# KiCad board nvme Carrier for LattePanda Mu.kicad_pcb
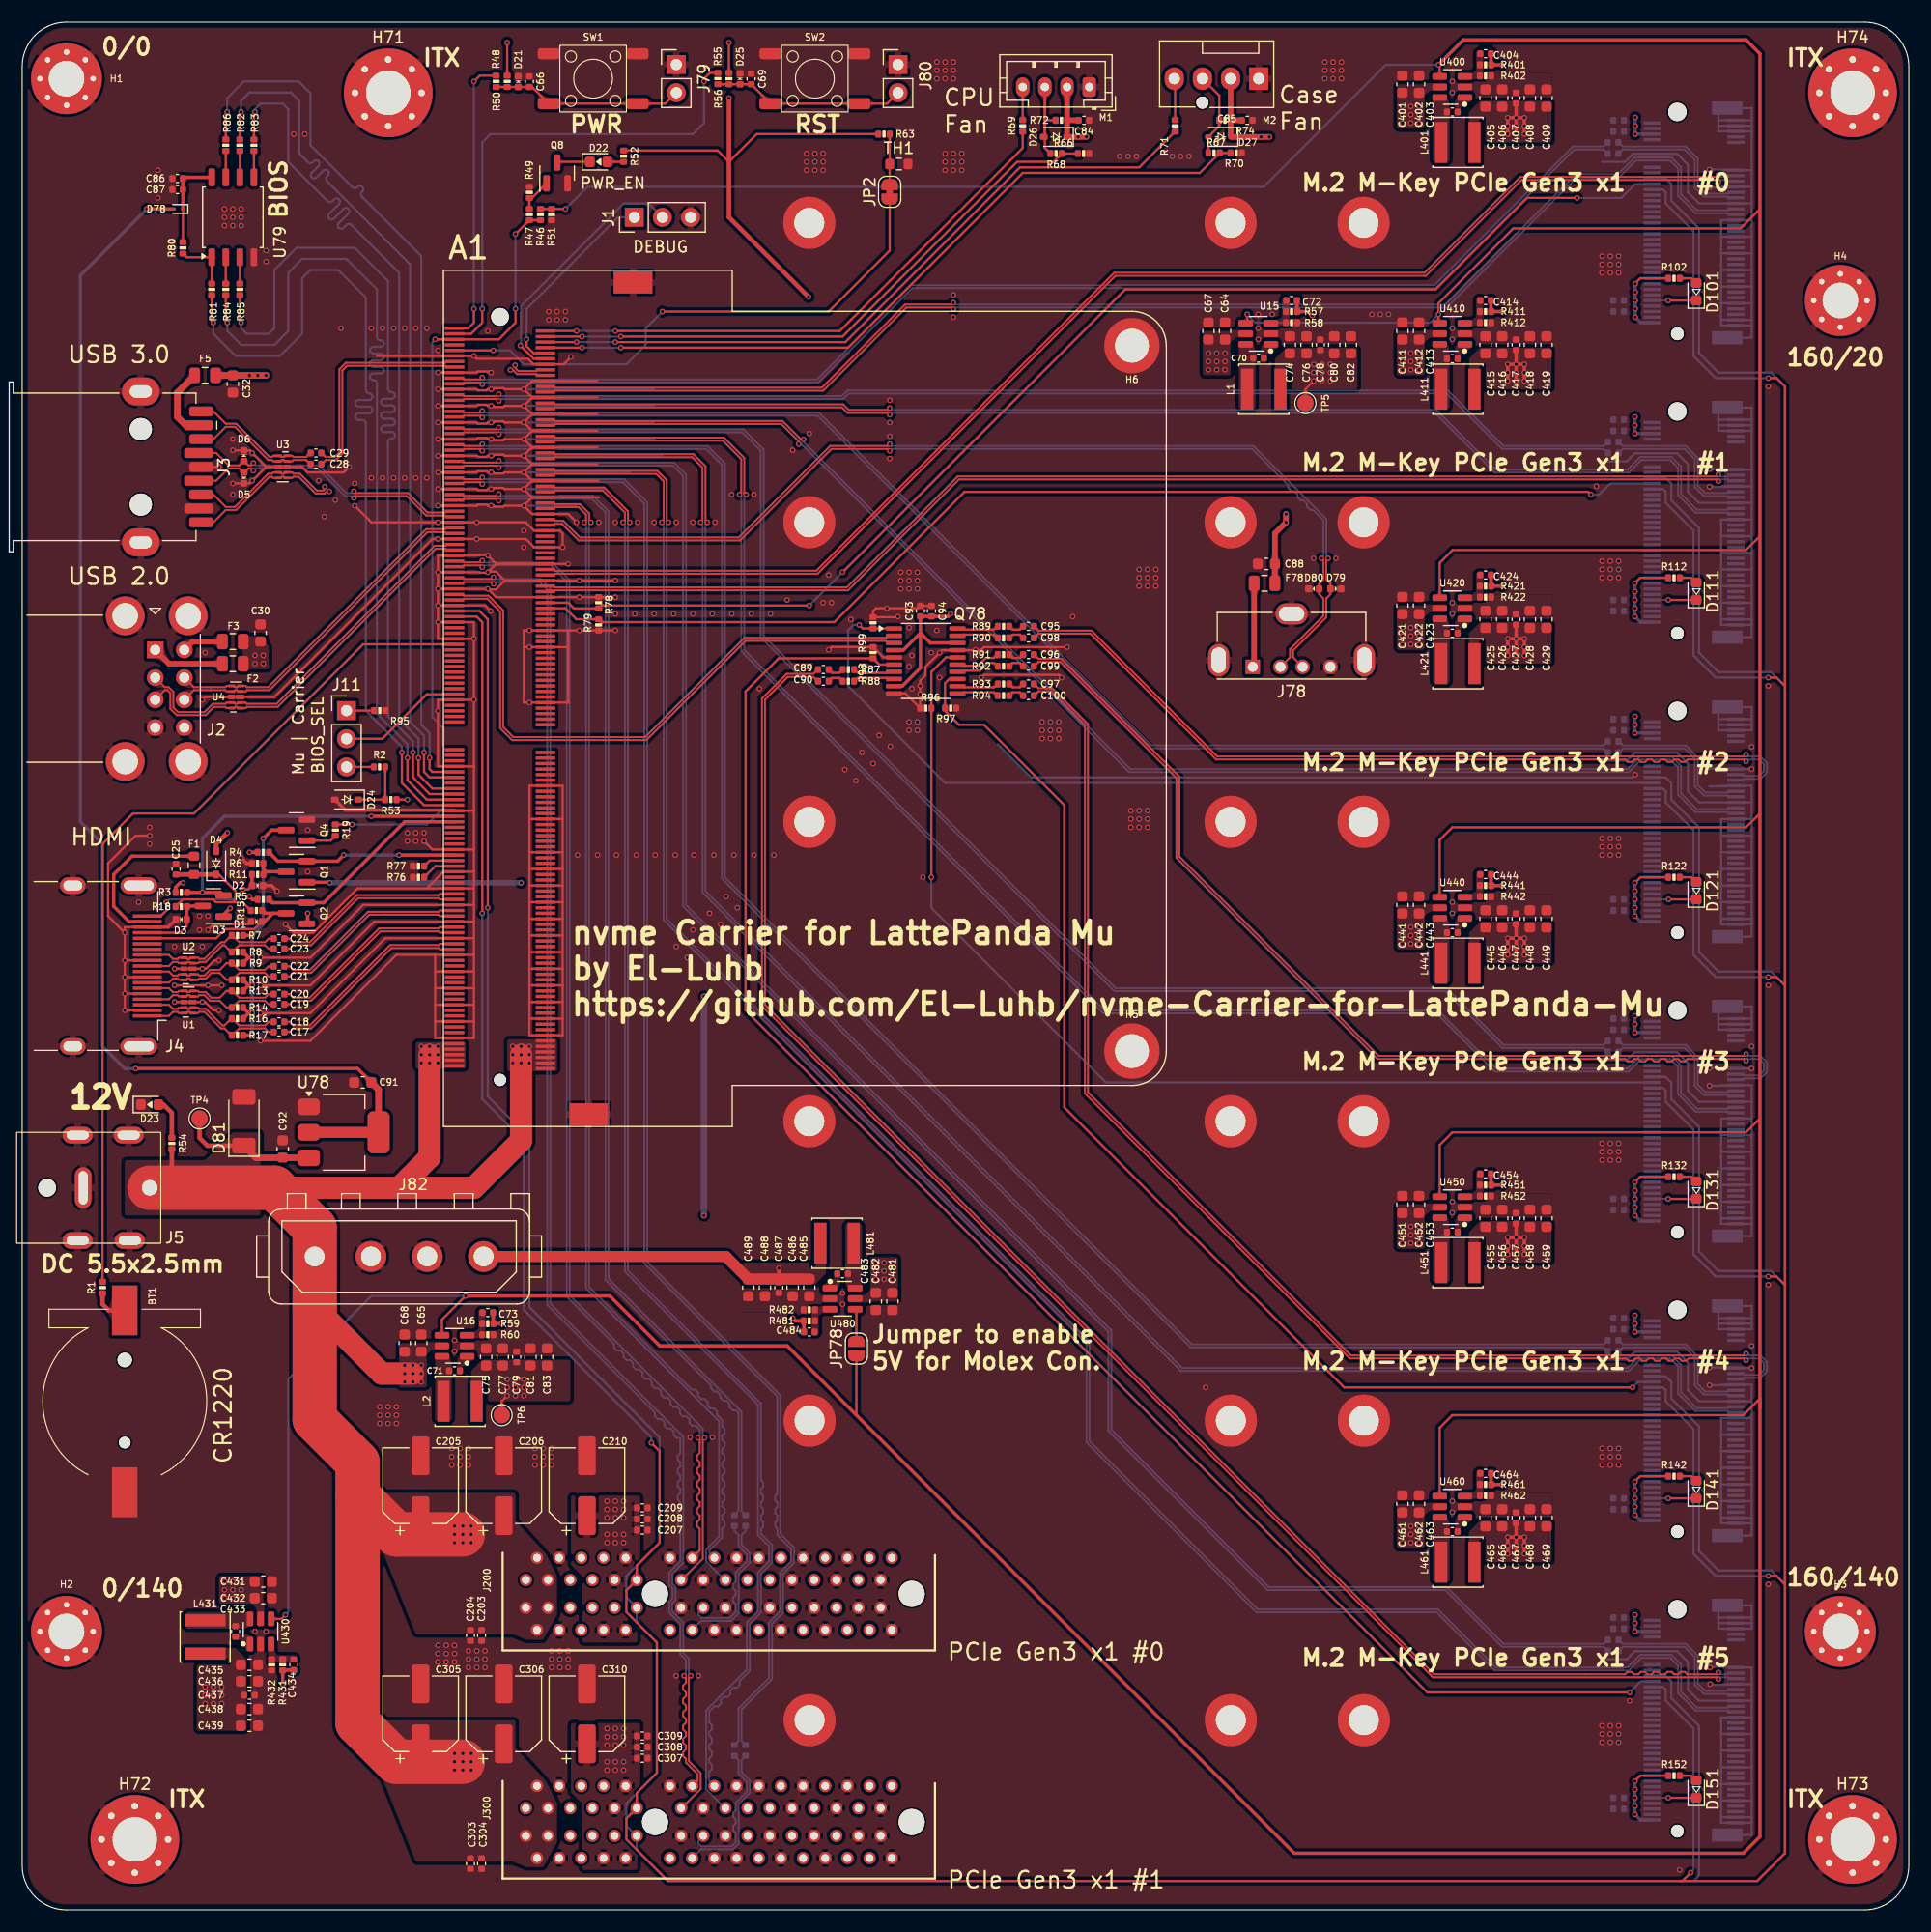
[diagram p0: board, top side]
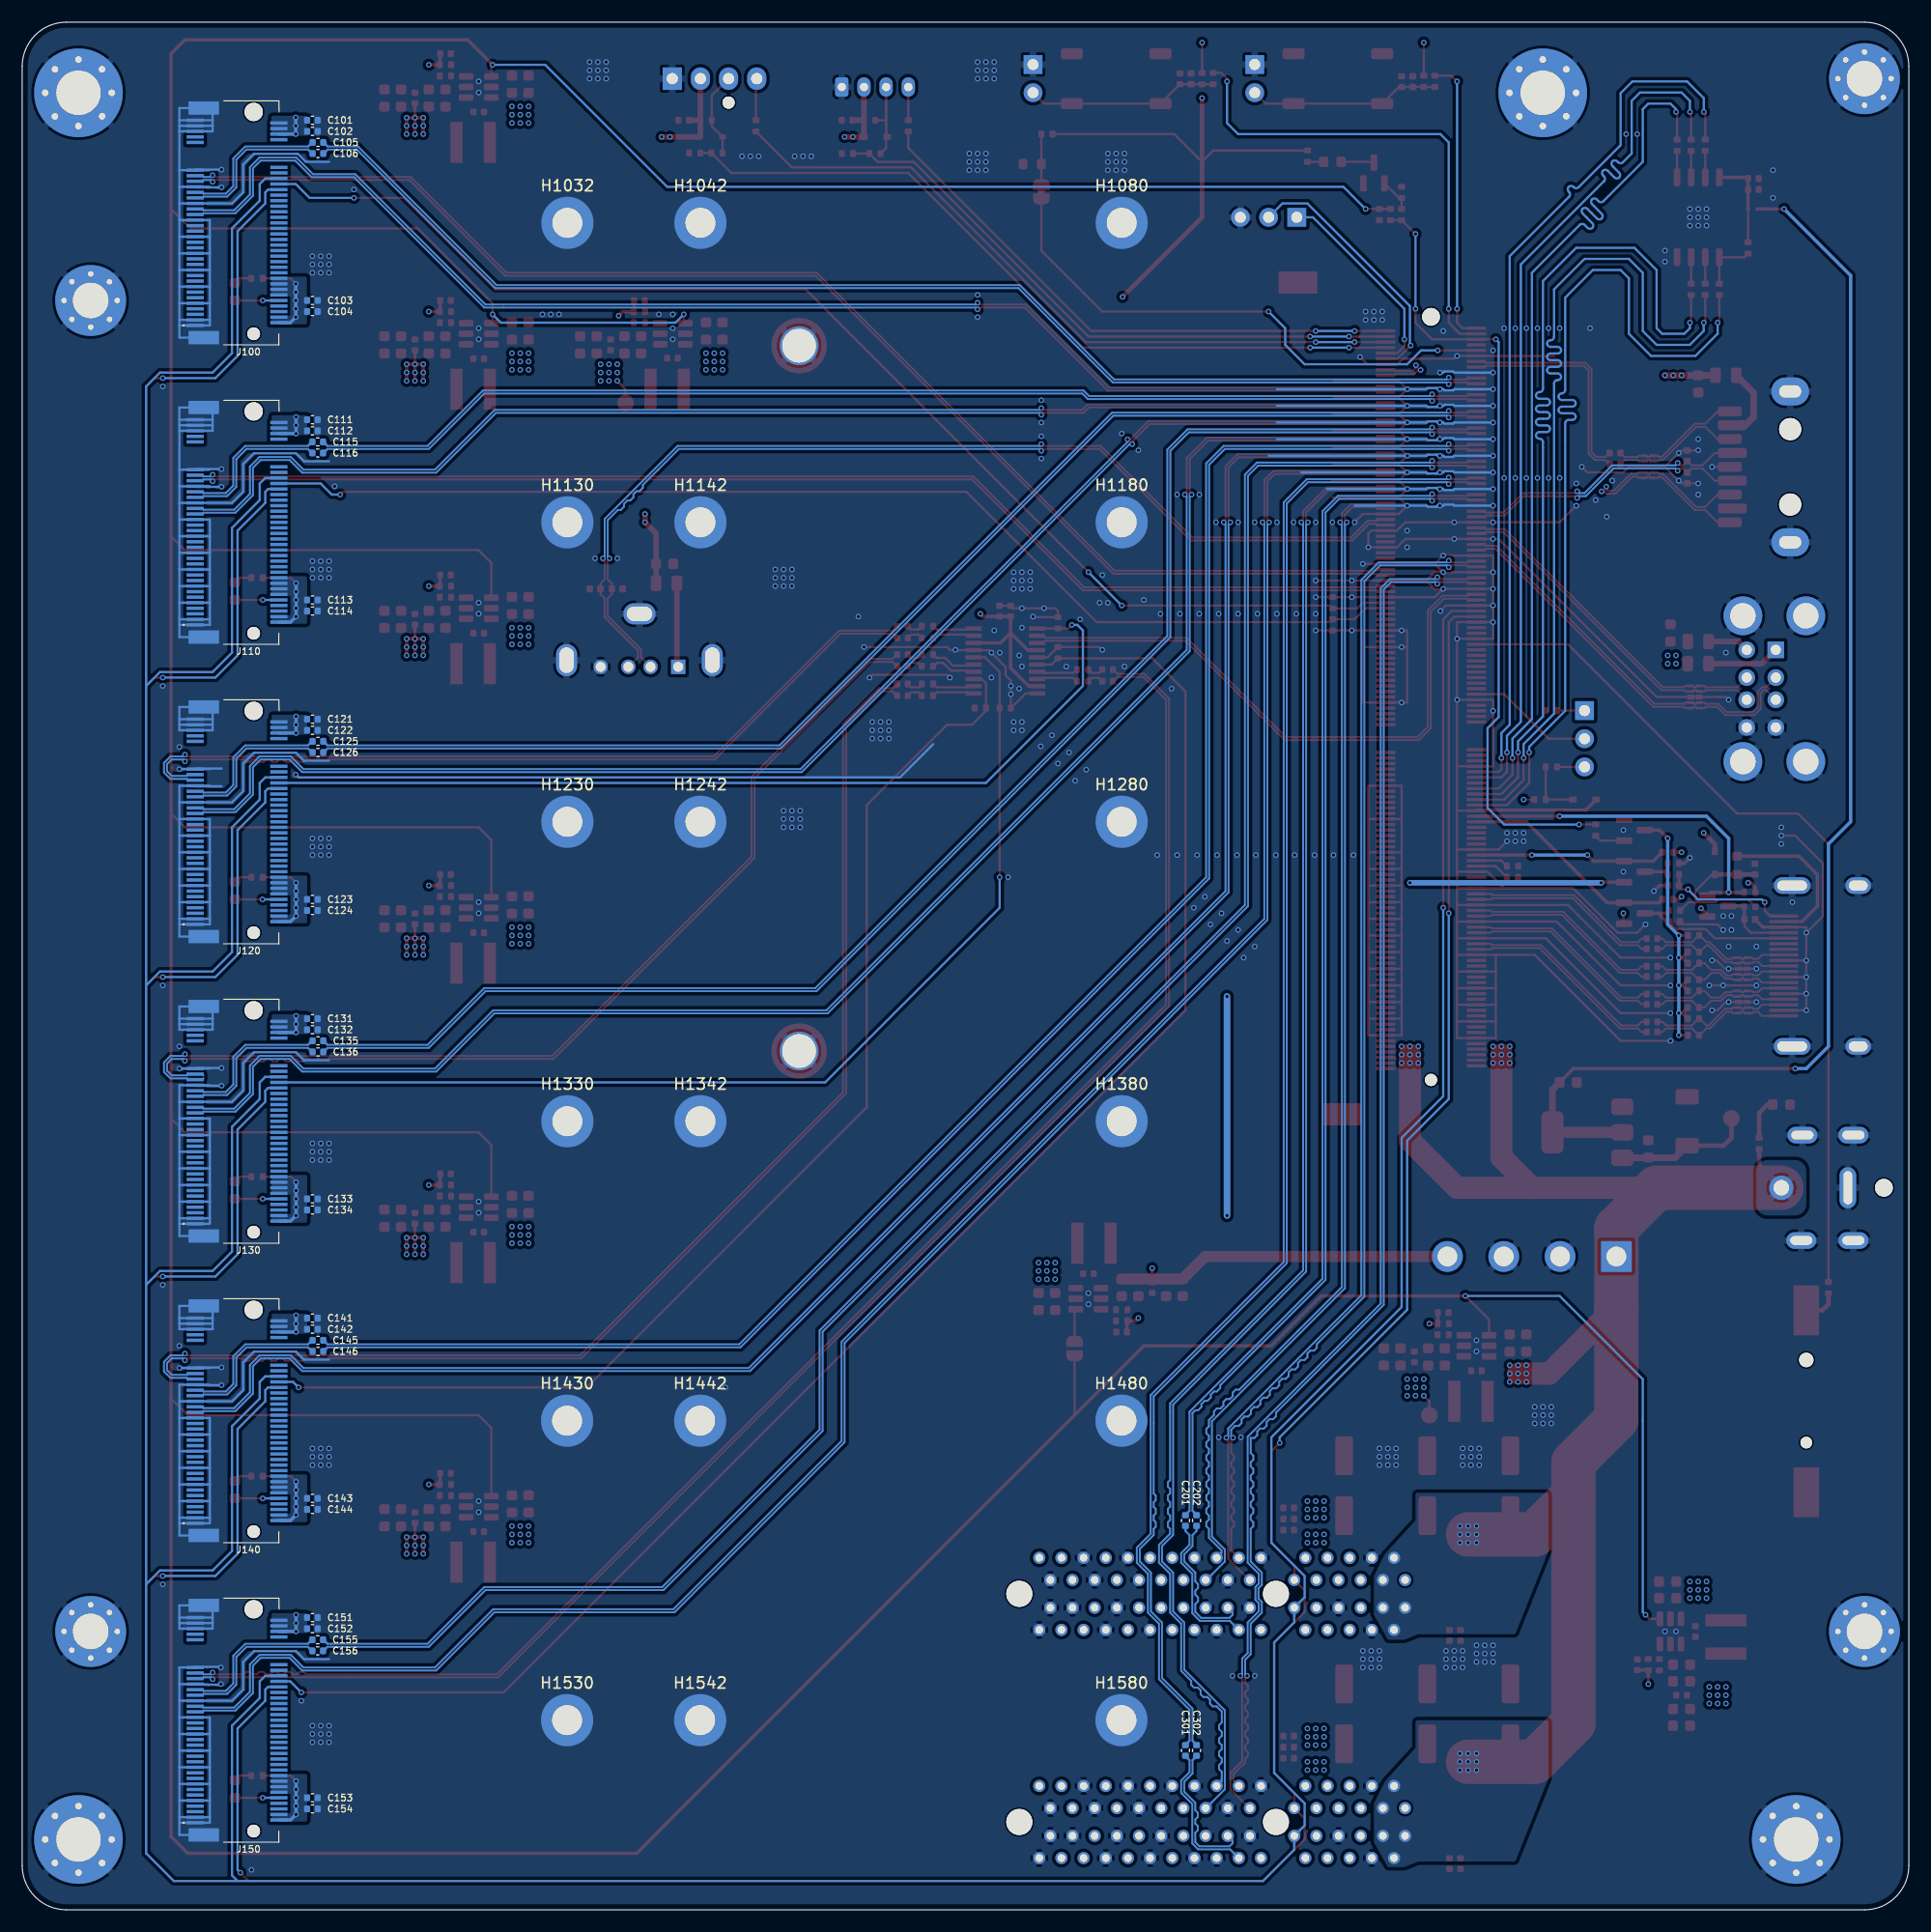
[diagram p1: board, bottom side, seen from below]

Outline 170.18 x 170.19 mm; copper layers: Top, In1.GND (plane), In2.PWR (plane), Bottom. Coordinates in mm from the lower left corner of the outline.
Outline path: 0,166.19 0,4 arc(1.17,1.17) 4,0 166.18,0 arc(169.01,1.17) 170.18,4 170.18,166.19 arc(169.01,169.02) 166.18,170.19 4,170.19 arc(1.17,169.02) 0,166.19
Stack: Top 0.035mm / dielectric 0.2104mm FR4 er 4.5 / In1.GND 0.0152mm / dielectric 1.065mm FR4 er 4.5 / In2.PWR 0.0152mm / dielectric 0.2104mm FR4 er 4.5 / Bottom 0.035mm

## Placement (name value [footprint] x y rotation side)
A1  LattePanda_Mu  [LattePanda_Module_H8.0mm_Horizontal]  43.1 109.23 90 top
BT1  Battery_Cell  [Battery_Holder_CR1220_S8411-45R]  9.25 45.85 180 top
C17  100nF/50V  [C_0402_1005Metric]  23.17 79.15 180 top
C18  100nF/50V  [C_0402_1005Metric]  23.17 80.07 180 top
C19  100nF/50V  [C_0402_1005Metric]  23.17 81.65 180 top
C20  100nF/50V  [C_0402_1005Metric]  23.17 82.57 180 top
C21  100nF/50V  [C_0402_1005Metric]  23.17 84.15 180 top
C22  100nF/50V  [C_0402_1005Metric]  23.17 85.07 180 top
C23  100nF/50V  [C_0402_1005Metric]  23.17 86.64 180 top
C24  100nF/50V  [C_0402_1005Metric]  23.17 87.56 180 top
C25  100nF/50V  [C_0402_1005Metric]  13.88 93.83 90 top
C28  100nF/50V  [C_0402_1005Metric]  26.5 130.35 180 top
C29  100nF/50V  [C_0402_1005Metric]  26.5 131.35 180 top
C30  22uF/10V  [C_0603_1608Metric]  21.5 115.13 270 top
C32  22uF/10V  [C_0603_1608Metric]  19 137.57 90 top
C64  22uF/16V  [C_0603_1608Metric]  108.5 142.35 270 top
C65  22uF/16V  [C_0603_1608Metric]  36 51.1 270 top
C66  1uF/16V  [C_0402_1005Metric]  45.75 164.83 90 top
C67  22uF/16V  [C_0603_1608Metric]  107 142.35 270 top
C68  22uF/16V  [C_0603_1608Metric]  34.5 51.1 270 top
C69  1uF/16V  [C_0402_1005Metric]  65.75 165.08 90 top
C70  100nF/50V  [C_0402_1005Metric]  111.52 139.9 0 top
C71  100nF/50V  [C_0402_1005Metric]  39 48.6 0 top
C72  12pF/50V  [C_0402_1005Metric]  114.5 145.1 180 top  (not fitted)
C73  12pF/50V  [C_0402_1005Metric]  42 53.85 180 top  (not fitted)
C74  22uF/10V  [C_0603_1608Metric]  114.35 141.1 270 top
C75  22uF/10V  [C_0603_1608Metric]  41.85 49.85 270 top
C76  22uF/10V  [C_0603_1608Metric]  115.85 141.1 270 top
C77  22uF/10V  [C_0603_1608Metric]  43.35 49.85 270 top
C78  100nF/50V  [C_0402_1005Metric]  117.1 141.1 90 top
C79  100nF/50V  [C_0402_1005Metric]  44.6 49.85 90 top
C80  22uF/10V  [C_0603_1608Metric]  118.35 141.1 270 top
C81  22uF/10V  [C_0603_1608Metric]  45.85 49.85 270 top
C82  22uF/10V  [C_0603_1608Metric]  119.85 141.1 270 top
C83  22uF/10V  [C_0603_1608Metric]  47.35 49.85 270 top
C84  100nF/50V  [C_0402_1005Metric]  95.77 161.35 0 top
C85  100nF/50V  [C_0402_1005Metric]  110.5 161.35 0 top
C86  22uF/6.3V  [C_0402_1005Metric]  14.02 156.1 180 top
C87  0.1uF/16V  [C_0402_1005Metric]  14.02 155.1 180 top
C88  22uF/10V  [C_0603_1608Metric]  112.22 121.35 0 top
C89  0.1uF/16V  [C_0402_1005Metric]  72.27 111.83 0 top
C90  0.1uF/16V  [C_0402_1005Metric]  72.27 110.78 0 top
C91  22uF/10V  [C_0603_1608Metric]  30.73 74.6 0 top
C92  22uF/16V  [C_0603_1608Metric]  23.5 68.6 270 top
C93  22uF/6.3V  [C_0402_1005Metric]  81.02 117.1 90 top
C94  0.1uF/16V  [C_0402_1005Metric]  82.02 117.1 90 top
C95  0.1uF/16V  [C_0402_1005Metric]  90.77 115.73 0 top
C96  0.1uF/16V  [C_0402_1005Metric]  90.77 113.18 0 top
C97  0.1uF/16V  [C_0402_1005Metric]  90.77 110.53 0 top
C98  0.1uF/16V  [C_0402_1005Metric]  90.77 114.68 0 top
C99  0.1uF/16V  [C_0402_1005Metric]  90.77 112.13 0 top
C100  0.1uF/16V  [C_0402_1005Metric]  90.77 109.48 0 top
C101  10uF/10V  [C_0402_1005Metric]  144 161.35 0 bottom
C102  100nF/50V  [C_0402_1005Metric]  144 160.35 0 bottom
C103  10uF/10V  [C_0402_1005Metric]  144 145.1 0 bottom
C104  100nF/50V  [C_0402_1005Metric]  144 144.1 0 bottom
C105  220nF/50V  [C_0402_1005Metric]  143.5 159.35 0 bottom
C106  220nF/50V  [C_0402_1005Metric]  143.5 158.35 0 bottom
C111  10uF/10V  [C_0402_1005Metric]  144 134.35 0 bottom
C112  100nF/50V  [C_0402_1005Metric]  144 133.35 0 bottom
C113  10uF/10V  [C_0402_1005Metric]  144 118.1 0 bottom
C114  100nF/50V  [C_0402_1005Metric]  144 117.1 0 bottom
C115  220nF/50V  [C_0402_1005Metric]  143.52 132.35 0 bottom
C116  220nF/50V  [C_0402_1005Metric]  143.52 131.35 0 bottom
C121  10uF/10V  [C_0402_1005Metric]  144 107.35 0 bottom
C122  100nF/50V  [C_0402_1005Metric]  144 106.35 0 bottom
C123  10uF/10V  [C_0402_1005Metric]  144 91.1 0 bottom
C124  100nF/50V  [C_0402_1005Metric]  144 90.1 0 bottom
C125  220nF/50V  [C_0402_1005Metric]  143.5 105.35 0 bottom
C126  220nF/50V  [C_0402_1005Metric]  143.5 104.35 0 bottom
C131  10uF/10V  [C_0402_1005Metric]  144 80.35 0 bottom
C132  100nF/50V  [C_0402_1005Metric]  144 79.35 0 bottom
C133  10uF/10V  [C_0402_1005Metric]  144 64.1 0 bottom
C134  100nF/50V  [C_0402_1005Metric]  144 63.1 0 bottom
C135  220nF/50V  [C_0402_1005Metric]  143.5 78.35 0 bottom
C136  220nF/50V  [C_0402_1005Metric]  143.5 77.35 0 bottom
C141  10uF/10V  [C_0402_1005Metric]  144 53.35 0 bottom
C142  100nF/50V  [C_0402_1005Metric]  144 52.35 0 bottom
C143  10uF/10V  [C_0402_1005Metric]  144 37.1 0 bottom
C144  100nF/50V  [C_0402_1005Metric]  144 36.1 0 bottom
C145  220nF/50V  [C_0402_1005Metric]  143.5 51.35 0 bottom
C146  220nF/50V  [C_0402_1005Metric]  143.5 50.35 0 bottom
C151  10uF/10V  [C_0402_1005Metric]  144 26.35 0 bottom
C152  100nF/50V  [C_0402_1005Metric]  144 25.35 0 bottom
C153  10uF/10V  [C_0402_1005Metric]  144 10.1 0 bottom
C154  100nF/50V  [C_0402_1005Metric]  144 9.1 0 bottom
C155  220nF/50V  [C_0402_1005Metric]  143.52 24.35 0 bottom
C156  220nF/50V  [C_0402_1005Metric]  143.52 23.35 0 bottom
C201  220nF/50V  [C_0402_1005Metric]  65.25 35.1 270 bottom
C202  220nF/50V  [C_0402_1005Metric]  64.25 35.1 270 bottom
C203  100nF/50V  [C_0402_1005Metric]  41.44 24.74 270 top
C204  100nF/50V  [C_0402_1005Metric]  40.44 24.74 270 top
C205  100uF/25V  [CP_Elec_6.3x7.7]  35.94 38.24 90 top
C206  100uF/25V  [CP_Elec_6.3x7.7]  43.44 38.24 90 top
C207  100nF/50V  [C_0402_1005Metric]  55.94 34.24 180 top
C208  10uF/10V  [C_0402_1005Metric]  55.94 35.24 180 top
C209  100nF/50V  [C_0402_1005Metric]  55.94 36.24 0 top
C210  470uF/10V  [CP_Elec_6.3x7.7]  50.94 38.24 90 top
C301  220nF/50V  [C_0402_1005Metric]  65.25 14.37 270 bottom
C302  220nF/50V  [C_0402_1005Metric]  64.25 14.37 270 bottom
C303  100nF/50V  [C_0402_1005Metric]  40.44 4.17 270 top
C304  100nF/50V  [C_0402_1005Metric]  41.44 4.17 270 top
C305  100uF/25V  [CP_Elec_6.3x7.7]  35.94 17.67 90 top
C306  100uF/25V  [CP_Elec_6.3x7.7]  43.44 17.67 90 top
C307  100nF/50V  [C_0402_1005Metric]  55.94 13.67 180 top
C308  10uF/10V  [C_0402_1005Metric]  55.94 14.67 180 top
C309  100nF/50V  [C_0402_1005Metric]  55.94 15.67 0 top
C310  470uF/10V  [CP_Elec_6.3x7.7]  50.94 17.67 90 top
C401  22uF/16V  [C_0603_1608Metric]  124.5 164.6 270 top
C402  22uF/16V  [C_0603_1608Metric]  126 164.6 270 top
C403  100nF/50V  [C_0402_1005Metric]  129 162.1 0 top
C404  12pF/50V  [C_0402_1005Metric]  132 167.35 180 top  (not fitted)
C405  22uF/10V  [C_0603_1608Metric]  132 163.35 270 top
C406  22uF/10V  [C_0603_1608Metric]  133.5 163.35 270 top
C407  100nF/50V  [C_0402_1005Metric]  134.75 163.35 90 top
C408  22uF/10V  [C_0603_1608Metric]  136 163.35 270 top
C409  22uF/10V  [C_0603_1608Metric]  137.5 163.35 270 top
C411  22uF/16V  [C_0603_1608Metric]  124.5 142.35 270 top
C412  22uF/16V  [C_0603_1608Metric]  126 142.35 270 top
C413  100nF/50V  [C_0402_1005Metric]  129 139.85 0 top
C414  12pF/50V  [C_0402_1005Metric]  132 145.1 180 top  (not fitted)
C415  22uF/10V  [C_0603_1608Metric]  132 141.1 270 top
C416  22uF/10V  [C_0603_1608Metric]  133.5 141.1 270 top
C417  100nF/50V  [C_0402_1005Metric]  134.75 141.1 90 top
C418  22uF/10V  [C_0603_1608Metric]  136 141.1 270 top
C419  22uF/10V  [C_0603_1608Metric]  137.5 141.1 270 top
C421  22uF/16V  [C_0603_1608Metric]  124.5 117.6 270 top
C422  22uF/16V  [C_0603_1608Metric]  126 117.6 270 top
C423  100nF/50V  [C_0402_1005Metric]  129 115.1 0 top
C424  12pF/50V  [C_0402_1005Metric]  132 120.35 180 top  (not fitted)
C425  22uF/10V  [C_0603_1608Metric]  132 116.35 270 top
C426  22uF/10V  [C_0603_1608Metric]  133.5 116.35 270 top
C427  100nF/50V  [C_0402_1005Metric]  134.75 116.35 90 top
C428  22uF/10V  [C_0603_1608Metric]  136 116.35 270 top
C429  22uF/10V  [C_0603_1608Metric]  137.5 116.35 270 top
C431  22uF/16V  [C_0603_1608Metric]  21.75 29.6 180 top
C432  22uF/16V  [C_0603_1608Metric]  21.75 28.1 180 top
C433  100nF/50V  [C_0402_1005Metric]  19.25 25.1 270 top
C434  12pF/50V  [C_0402_1005Metric]  24.5 22.1 90 top  (not fitted)
C435  22uF/10V  [C_0603_1608Metric]  20.5 22.1 180 top
C436  22uF/10V  [C_0603_1608Metric]  20.5 20.6 180 top
C437  100nF/50V  [C_0402_1005Metric]  20.5 19.35 0 top
C438  22uF/10V  [C_0603_1608Metric]  20.5 18.1 180 top
C439  22uF/10V  [C_0603_1608Metric]  20.5 16.6 180 top
C441  22uF/16V  [C_0603_1608Metric]  124.5 90.6 270 top
C442  22uF/16V  [C_0603_1608Metric]  126 90.6 270 top
C443  100nF/50V  [C_0402_1005Metric]  129 88.1 0 top
C444  12pF/50V  [C_0402_1005Metric]  132 93.35 180 top  (not fitted)
C445  22uF/10V  [C_0603_1608Metric]  132 89.35 270 top
C446  22uF/10V  [C_0603_1608Metric]  133.5 89.35 270 top
C447  100nF/50V  [C_0402_1005Metric]  134.75 89.35 90 top
C448  22uF/10V  [C_0603_1608Metric]  136 89.35 270 top
C449  22uF/10V  [C_0603_1608Metric]  137.5 89.35 270 top
C451  22uF/16V  [C_0603_1608Metric]  124.5 63.6 270 top
C452  22uF/16V  [C_0603_1608Metric]  126 63.6 270 top
C453  100nF/50V  [C_0402_1005Metric]  129 61.1 0 top
C454  12pF/50V  [C_0402_1005Metric]  132 66.35 180 top  (not fitted)
C455  22uF/10V  [C_0603_1608Metric]  132 62.35 270 top
C456  22uF/10V  [C_0603_1608Metric]  133.5 62.35 270 top
C457  100nF/50V  [C_0402_1005Metric]  134.75 62.35 90 top
C458  22uF/10V  [C_0603_1608Metric]  136 62.35 270 top
C459  22uF/10V  [C_0603_1608Metric]  137.5 62.35 270 top
C461  22uF/16V  [C_0603_1608Metric]  124.5 36.6 270 top
C462  22uF/16V  [C_0603_1608Metric]  126 36.6 270 top
C463  100nF/50V  [C_0402_1005Metric]  129 34.1 0 top
C464  12pF/50V  [C_0402_1005Metric]  132 39.35 180 top  (not fitted)
C465  22uF/10V  [C_0603_1608Metric]  132 35.35 270 top
C466  22uF/10V  [C_0603_1608Metric]  133.5 35.35 270 top
C467  100nF/50V  [C_0402_1005Metric]  134.75 35.35 90 top
C468  22uF/10V  [C_0603_1608Metric]  136 35.35 270 top
C469  22uF/10V  [C_0603_1608Metric]  137.5 35.35 270 top
C481  22uF/16V  [C_0603_1608Metric]  78.5 54.85 90 top
C482  22uF/16V  [C_0603_1608Metric]  77 54.85 90 top
C483  100nF/50V  [C_0402_1005Metric]  74 57.35 180 top
C484  12pF/50V  [C_0402_1005Metric]  71 52.1 0 top  (not fitted)
C485  22uF/10V  [C_0603_1608Metric]  71 56.1 90 top
C486  22uF/10V  [C_0603_1608Metric]  69.5 56.1 90 top
C487  100nF/50V  [C_0402_1005Metric]  68.25 56.1 270 top
C488  22uF/10V  [C_0603_1608Metric]  67 56.1 90 top
C489  22uF/10V  [C_0603_1608Metric]  65.5 56.1 90 top
D1  ESD5V0B03  [D_0402_1005Metric]  21.13 89.1 0 top
D2  ESD5V0B03  [D_0402_1005Metric]  21.23 92.35 180 top
D3  ESD5V0B03  [D_0402_1005Metric]  14.35 89.3 0 top
D4  1N5819WS  [D_SOD-323]  17.5 94.4 90 top
D5  ESD5V0B03  [D_0402_1005Metric]  20 129.1 90 top
D6  ESD5V0B03  [D_0402_1005Metric]  20 131.1 270 top
D21  ESD5V0B03  [D_0402_1005Metric]  44.75 164.84 270 top
D22  LED_G  [LED_0603_1608Metric]  52 157.6 0 top
D23  LED_G  [LED_0603_1608Metric]  11.5 72.6 0 top
D24  3V3 Izt=5mA  [D_SOD-323]  29.25 100.1 180 top
D25  ESD5V0B03  [D_0402_1005Metric]  64.75 165.09 270 top
D26  1N5819WS  [D_SOD-323]  93.2 159.85 180 top
D27  1N5819WS  [D_SOD-323#2]  108.05 159.85 180 top
D78  D_Schottky  [D_SOD-923]  14.08 153.35 180 top
D79  ESD5V0B03  [D_0402_1005Metric]  118.5 119.1 180 top
D80  ESD5V0B03  [D_0402_1005Metric]  116.5 119.1 0 top
D81  PTVS12VP1UP  [D_SOD-128]  20 71.1 90 top
D101  LED_G  [LED_0603_1608Metric]  151 145.89 90 top
D111  LED_G  [LED_0603_1608Metric]  151 118.89 90 top
D121  LED_G  [LED_0603_1608Metric]  151 91.89 90 top
D131  LED_G  [LED_0603_1608Metric]  151 64.89 90 top
D141  LED_G  [LED_0603_1608Metric]  151 37.89 90 top
D151  LED_G  [LED_0603_1608Metric]  151 10.89 90 top
F1  6V/50mA  [R_0603_1608Metric]  15.5 94.18 90 top
F2  6V/1A  [Fuse_0805_2012Metric]  19 112.35 180 top
F3  6V/1A  [Fuse_0805_2012Metric]  19 114.35 180 top
F5  6V/2A  [Fuse_0805_2012Metric]  16.5 138.35 180 top
F78  6V/1A  [Fuse_0805_2012Metric]  112.06 119.6 180 top
H1  MountingHole_Pad  [MountingHole_3.2mm_M3_Pad_Via]  4 165.1 90 top  (not fitted)
H2  MountingHole_Pad  [MountingHole_3.2mm_M3_Pad_Via]  4 25.1 90 top  (not fitted)
H3  MountingHole_Pad  [MountingHole_3.2mm_M3_Pad_Via]  164 25.1 90 top  (not fitted)
H4  MountingHole_Pad  [MountingHole_3.2mm_M3_Pad_Via]  164 145.1 90 top  (not fitted)
H5  MountingHole_Pad  [MountingHole_3mm_M2_Pad_TopOnly]  100.1 77.43 90 top
H6  MountingHole_Pad  [MountingHole_3mm_M2_Pad_TopOnly]  100.1 141.03 90 top
H71  MountingHole_Pad  [MountingHole_4mm_Pad_Via]  33.02 163.83 0 top  (not fitted)
H72  MountingHole_Pad  [MountingHole_4mm_Pad_Via]  10.16 6.35 0 top  (not fitted)
H73  MountingHole_Pad  [MountingHole_4mm_Pad_Via]  165.1 6.35 0 top  (not fitted)
H74  MountingHole_Pad  [MountingHole_4mm_Pad_Via]  165.1 163.83 0 top  (not fitted)
H1032  MountingHole_M2.5  [MountingHole_2.7mm_M2.5_DIN965_Pad_TopBottom]  121 152.1 180 bottom
H1042  MountingHole_M2.5  [MountingHole_2.7mm_M2.5_DIN965_Pad_TopBottom]  109 152.1 180 bottom
H1080  MountingHole_M2.5  [MountingHole_2.7mm_M2.5_DIN965_Pad_TopBottom]  71 152.1 180 bottom
H1130  MountingHole_M2.5  [MountingHole_2.7mm_M2.5_DIN965_Pad_TopBottom]  121 125.1 180 bottom
H1142  MountingHole_M2.5  [MountingHole_2.7mm_M2.5_DIN965_Pad_TopBottom]  109 125.1 180 bottom
H1180  MountingHole_M2.5  [MountingHole_2.7mm_M2.5_DIN965_Pad_TopBottom]  71 125.1 180 bottom
H1230  MountingHole_M2.5  [MountingHole_2.7mm_M2.5_DIN965_Pad_TopBottom]  121 98.1 180 bottom
H1242  MountingHole_M2.5  [MountingHole_2.7mm_M2.5_DIN965_Pad_TopBottom]  109 98.1 180 bottom
H1280  MountingHole_M2.5  [MountingHole_2.7mm_M2.5_DIN965_Pad_TopBottom]  71 98.1 180 bottom
H1330  MountingHole_M2.5  [MountingHole_2.7mm_M2.5_DIN965_Pad_TopBottom]  121 71.1 180 bottom
H1342  MountingHole_M2.5  [MountingHole_2.7mm_M2.5_DIN965_Pad_TopBottom]  109 71.1 180 bottom
H1380  MountingHole_M2.5  [MountingHole_2.7mm_M2.5_DIN965_Pad_TopBottom]  71 71.1 180 bottom
H1430  MountingHole_M2.5  [MountingHole_2.7mm_M2.5_DIN965_Pad_TopBottom]  121.02 44.1 180 bottom
H1442  MountingHole_M2.5  [MountingHole_2.7mm_M2.5_DIN965_Pad_TopBottom]  109.02 44.1 180 bottom
H1480  MountingHole_M2.5  [MountingHole_2.7mm_M2.5_DIN965_Pad_TopBottom]  71.03 44.1 180 bottom
H1530  MountingHole_M2.5  [MountingHole_2.7mm_M2.5_DIN965_Pad_TopBottom]  121.02 17.1 180 bottom
H1542  MountingHole_M2.5  [MountingHole_2.7mm_M2.5_DIN965_Pad_TopBottom]  109.02 17.1 180 bottom
H1580  MountingHole_M2.5  [MountingHole_2.7mm_M2.5_DIN965_Pad_TopBottom]  71.03 17.1 180 bottom
J1  Conn_01x03_Pin  [PinHeader_1x03_P2.54mm_Vertical]  55.21 152.6 90 top
J2  USB_A_Stacked  [USB_A_CUI_UJ2-ADH-TH_Horizontal_Stacked]  12 113.6 0 top
J3  USB3_A  [USB3_A_Receptacle_Wuerth_692122030100]  7.25 130.1 270 top
J4  HDMI_A  [HDMI_A_Molex_208658-1001_Horizontal]  8 85.1 180 top
J5  Barrel_Jack_Switch  [DC_Jack_DC007B_30V_10A]  -0.5 65.1 90 top
J11  Conn_01x03_Pin  [PinHeader_1x03_P2.54mm_Vertical]  29.25 108.13 0 top
J78  USB_A  [USB_A_Molex_105057_Vertical]  111 112.07 0 top
J79  Conn_01x02_Pin  [PinHeader_1x02_P2.54mm_Vertical]  59 166.38 0 top
J80  Conn_01x02_Pin  [PinHeader_1x02_P2.54mm_Vertical]  79 166.38 0 top
J82  Conn_01x04  [TE_MATE-N-LOK_350211-1_1x04_P5.08mm_Vertical]  26.38 58.91 0 top
J100  Bus_M.2_Socket_M  [PCIe_M.2_Connectors_P=0.5mm_H=4.2mm_KeyM]  151 152.1 90 bottom
J110  Bus_M.2_Socket_M  [PCIe_M.2_Connectors_P=0.5mm_H=4.2mm_KeyM]  151 125.1 90 bottom
J120  Bus_M.2_Socket_M  [PCIe_M.2_Connectors_P=0.5mm_H=4.2mm_KeyM]  151 98.1 90 bottom
J130  Bus_M.2_Socket_M  [PCIe_M.2_Connectors_P=0.5mm_H=4.2mm_KeyM]  151 71.1 90 bottom
J140  Bus_M.2_Socket_M  [PCIe_M.2_Connectors_P=0.5mm_H=4.2mm_KeyM]  151 44.1 90 bottom
J150  Bus_M.2_Socket_M  [PCIe_M.2_Connectors_P=0.5mm_H=4.2mm_KeyM]  151 17.1 90 bottom
J200  Bus_PCI_Express_x4  [PCIe_x4_Gen3Slot_Connectors]  45.44 29.74 0 top
J300  Bus_PCI_Express_x4  [PCIe_x4_Gen3Slot_Connectors]  45.44 9.17 0 top
JP2  NTC_Test  [SolderJumper-2_P1.3mm_Bridged_RoundedPad1.0x1.5mm]  78.25 154.9 90 top
JP78  SolderJumper_2_Open  [SolderJumper-2_P1.3mm_Open_RoundedPad1.0x1.5mm]  75.25 50.6 90 top
L1  2.2uH/4.3A  [L_Sunlord_SWPA4020S]  112 137.1 0 top
L2  2.2uH/4.3A  [L_Sunlord_SWPA4020S]  39.5 45.85 0 top
L401  2.2uH/4.3A  [L_Sunlord_SWPA4020S]  129.5 159.35 0 top
L411  2.2uH/4.3A  [L_Sunlord_SWPA4020S]  129.5 137.1 0 top
L421  2.2uH/4.3A  [L_Sunlord_SWPA4020S]  129.5 112.35 0 top
L431  2.2uH/4.3A  [L_Sunlord_SWPA4020S]  16.5 24.6 270 top
L441  2.2uH/4.3A  [L_Sunlord_SWPA4020S]  129.5 85.35 0 top
L451  2.2uH/4.3A  [L_Sunlord_SWPA4020S]  129.5 58.35 0 top
L461  2.2uH/4.3A  [L_Sunlord_SWPA4020S]  129.5 31.35 0 top
L481  2.2uH/4.3A  [L_Sunlord_SWPA4020S]  73.5 60.1 180 top
M1  Fan_4pin  [JST_PH_B4B-PH-K_1x04_P2.00mm_Vertical]  96.25 164.35 180 top
M2  Fan_4pin  [FanPinHeader_1x04_P2.54mm_Vertical]  111.54 165.1 180 top
Q1  2N7002  [SOT-23]  24.75 93.6 180 top
Q2  2SK3018  [SOT-23]  24.75 89.85 180 top
Q3  2SK3018  [SOT-23]  17.23 90.51 180 top
Q4  2SK3018  [SOT-23]  24.75 97.35 180 top
Q8  2N7002  [SOT-23]  48.25 156.6 90 top
Q78  9DBL411BGLFT  [TSSOP-20_4.4x6.5mm_P0.65mm]  81.5 112.6 0 top
R1  1K/1%  [R_0402_1005Metric]  7.25 56.1 270 top
R2  10K/1%  [R_0402_1005Metric]  32.24 103.05 0 top
R3  2.2K/1%  [R_0402_1005Metric]  14.35 91.74 0 top
R4  1M/1%  [R_0402_1005Metric]  21.75 95.35 0 top
R5  2.2K/1%  [R_0402_1005Metric]  21.75 91.1 0 top
R6  21.5K/1%  [R_0402_1005Metric]  21.24 94.35 180 top
R7  470R/1%  [R_0402_1005Metric]  19.42 87.86 0 top
R8  470R/1%  [R_0402_1005Metric]  19.42 86.36 0 top
R9  470R/1%  [R_0402_1005Metric]  19.42 85.36 0 top
R10  470R/1%  [R_0402_1005Metric]  19.42 83.86 0 top
R11  1K/1%  [R_0402_1005Metric]  21.24 93.35 180 top